# Allegro board SG2042_EVB_V2_0.brd (continued)
## Routing (per net, layer and track width the routed paths; a pad name or vN(x,y) marks a point on that pad's centre or on a via; arc(x,y) is an arc through that point) (continued)
PHY_MDI1-: length 19.2
  TOP w0.081: T1.6 15.04,266.03 arc(15.07,266.18) 15.16,266.31 15.44,266.59 arc(15.52,266.73) 15.55,266.88 15.55,269.97 arc(15.53,270.08) 15.47,270.18 v1(15.37,270.28) ; v1(24.99,267.94) 25.09,268.04 arc(25.19,268.11) 25.31,268.13 25.72,268.13 arc(25.82,268.11) 25.9,268.06 25.94,268.02 arc(26.13,267.89) 26.36,267.85 26.48,267.85 arc(26.53,267.84) 26.57,267.81 26.58,267.8 arc(26.62,267.77) 26.67,267.76 U7.5
  BOTTOM w0.081: v1(24.99,267.94) 24.89,268.04 arc(24.8,268.11) 24.68,268.13 24.44,268.13 arc(24.13,268.19) 23.87,268.37 23.8,268.44 arc(23.61,268.57) 23.4,268.61 15.93,268.61 arc(15.66,268.72) 15.55,268.98 15.55,269.97 arc(15.53,270.08) 15.47,270.18 v1(15.37,270.28)
PHY_MDI2+: length 24
  TOP w0.081: v1(12.17,270.28) 12.07,270.18 arc(12,270.08) 11.98,269.97 11.98,266.88 arc(12.01,266.73) 12.1,266.59 12.38,266.31 arc(12.47,266.18) 12.5,266.03 T1.8 ; v1(24.99,267.18) 25.09,267.08 arc(25.19,267.02) 25.31,266.99 25.72,266.99 arc(25.82,267.01) 25.9,267.07 25.97,267.14 arc(26.13,267.24) 26.31,267.28 26.48,267.28 arc(26.53,267.29) 26.57,267.32 26.58,267.33 arc(26.62,267.35) 26.67,267.36 U7.6
  BOTTOM w0.081: v1(12.17,270.28) 12.07,270.18 arc(12,270.08) 11.98,269.97 11.98,268.09 arc(12.02,267.99) 12.12,267.95 12.65,267.95 arc(12.77,268) 12.81,268.11 arc(12.86,268.22) 12.98,268.27 13.06,268.27 arc(13.18,268.22) 13.22,268.11 arc(13.27,268) 13.39,267.95 22.58,267.95 arc(23.2,267.83) 23.73,267.48 24,267.2 arc(24.23,267.05) 24.5,266.99 24.68,266.99 arc(24.8,267.02) 24.89,267.08 v1(24.99,267.18)
PHY_MDI2-: length 24
  TOP w0.081: T1.9 11.23,266.03 arc(11.26,266.18) 11.35,266.31 11.63,266.59 arc(11.71,266.73) 11.74,266.88 11.74,269.97 arc(11.72,270.08) 11.66,270.18 v1(11.56,270.28) ; U7.7 26.67,266.96 arc(26.62,266.97) 26.58,267 26.57,267.01 arc(26.53,267.04) 26.48,267.05 26.31,267.05 arc(26.22,267.03) 26.13,266.97 26.07,266.9 arc(25.91,266.8) 25.72,266.76 25.31,266.76 arc(25.19,266.74) 25.09,266.67 v1(24.99,266.57)
  BOTTOM w0.081: v1(24.99,266.57) 24.89,266.67 arc(24.8,266.74) 24.68,266.76 24.5,266.76 arc(24.14,266.83) 23.84,267.03 23.56,267.31 arc(23.11,267.61) 22.58,267.72 12.12,267.72 arc(11.85,267.82) 11.74,268.09 11.74,269.97 arc(11.72,270.08) 11.66,270.18 v1(11.56,270.28)
PHY_MDI3+: length 29.7
  TOP w0.081: T1.11 8.69,266.03 arc(8.66,266.18) 8.57,266.31 8.29,266.59 arc(8.2,266.73) 8.17,266.88 8.17,269.97 arc(8.19,270.08) 8.26,270.18 v1(8.36,270.28) ; v1(24.99,265.81) 25.09,265.71 arc(25.19,265.65) 25.31,265.62 25.48,265.62 arc(25.66,265.66) 25.82,265.77 25.97,265.91 arc(26.15,266.04) 26.37,266.08 26.48,266.08 arc(26.53,266.09) 26.57,266.12 26.58,266.13 arc(26.62,266.15) 26.67,266.16 U7.9
  BOTTOM w0.081: v1(24.99,265.81) 24.89,265.71 arc(24.8,265.65) 24.68,265.62 24.44,265.62 arc(24.13,265.56) 23.88,265.39 23.8,265.32 arc(23.62,265.19) 23.4,265.15 10.4,265.15 arc(8.82,265.8) 8.17,267.38 8.17,268.71 arc(8.22,268.83) 8.33,268.88 8.33,268.88 arc(8.44,268.92) 8.49,269.04 8.49,269.13 arc(8.44,269.24) 8.33,269.29 8.33,269.29 arc(8.22,269.33) 8.17,269.45 8.17,269.97 arc(8.19,270.08) 8.26,270.18 v1(8.36,270.28)
PHY_MDI3-: length 29.7
  TOP w0.081: v1(24.99,265.2) 25.09,265.3 arc(25.19,265.37) 25.31,265.39 25.48,265.39 arc(25.75,265.44) 25.99,265.6 26.13,265.75 arc(26.24,265.82) 26.37,265.85 26.48,265.85 arc(26.53,265.84) 26.57,265.81 26.58,265.8 arc(26.62,265.77) 26.67,265.76 U7.10 ; T1.12 7.42,266.03 arc(7.45,266.18) 7.54,266.31 7.82,266.59 arc(7.9,266.73) 7.93,266.88 7.93,269.97 arc(7.91,270.08) 7.85,270.18 v1(7.75,270.28)
  BOTTOM w0.081: v1(7.75,270.28) 7.85,270.18 arc(7.91,270.08) 7.93,269.97 7.93,267.38 arc(8.66,265.64) 10.4,264.92 23.4,264.92 arc(23.71,264.98) 23.97,265.15 24.04,265.23 arc(24.22,265.35) 24.44,265.39 24.68,265.39 arc(24.8,265.37) 24.89,265.3 v1(24.99,265.2)
PLL_CLK_IN_DDR_L: length 56
  TOP w0.102: U1.AF48 v1(136.75,224.05) ; R124.2 v1(115.37,259.11)
  ART14 w0.102: v1(115.37,259.11) 116.95,257.52 116.95,241.14 117.54,240.55 135.95,240.55 136.25,240.25 136.25,224.55 v1(136.75,224.05)
PLL_CLK_IN_DDR_R: length 57.8
  TOP w0.102: U1.AF9 v1(96.75,224.05) ; R144.2 v1(110.74,259.11)
  ART14 w0.102: v1(96.75,224.05) 97.25,224.55 97.25,240.25 97.55,240.55 115.96,240.55 116.55,241.13 116.55,253.3 v1(110.74,259.11)
PLL_CLK_IN_MAIN: length 15
  TOP w0.102: U1.B31 119.75,248.05 119.75,254.01 R186.2
PLL_LOCKO: length 0.9
  TOP w0.102: R580.2 R593.2
PREXT1: length 1.2
  TOP w0.102: U3235.AB2 v1(139.66,91.41)
  BOTTOM w0.102: R12493.2 v1(139.66,91.41)
PREXT2: length 1.2
  TOP w0.102: U3235.E16 v1(153.26,80.21)
  BOTTOM w0.102: R12494.2 v1(153.26,80.21)
PREXT_10048: length 2
  TOP w0.102: U3237.37 227.02,74.6 R12564.1
PS_ON#: length 268.7
  TOP w0.102: v1(163.09,60.48) 162.71,60.1 159.75,60.1 156.83,57.18 119.23,57.18 108.76,46.71 Q2008.3 R2441.1 ; SW201.1 230.69,178.16 229.44,176.91 C1171.1 R304.2 v1(225.53,176.91)
  ART14 w0.102: v1(163.09,60.48) 167.68,65.06 167.68,75.76 169.21,77.29 169.21,87.34 173.84,91.96 173.84,92.06 173.84,92.07 173.84,118.21 205.36,149.73 205.36,170.61 211.66,176.91 v1(225.53,176.91) ; SW201.1 239.27,178.16 240.77,179.65 240.77,209.46 ATXPWR1.16
PWM6: length 275.5
  TOP w0.102: U3268.28 v1(103.99,141.05) ; v1(199.51,300.02) 200.08,299.45 U202.7
  ART03 w0.102: v1(210.74,168.1) 211.53,168.88 211.53,170.19 209.4,172.33 209.4,225.26 217.02,232.88 217.02,273.51 213.51,277.02 213.51,285.27 211,287.79 211,297.09 208.25,299.85 205.75,299.85 205.39,300.2 204.36,300.2 203.6,299.44 200.09,299.44 v1(199.51,300.02)
  ART05 w0.102: v1(210.74,168.1) 210.39,168.45 208.9,168.45 208.36,167.91 208.36,163.16 199.63,154.43 154.84,154.43 138.66,138.25 105.31,138.25 103.96,139.6 103.96,141.02 v1(103.99,141.05)
PWM_FAN0: length 154.5
  TOP w0.102: v1(46.76,136.86) R12926.1 R12927.2 ; R132.1 v1(36.4,279.53)
  ART03 w0.102: v1(36.4,279.53) 37.41,278.51 37.41,273.43 39.6,271.25 39.6,263.53 36.3,260.23 36.3,226.49 38.81,223.98 38.81,212.52 45.36,205.97 45.36,203.61 46.96,202.01 46.96,193.57 46.38,192.98 46.38,188.6 47.7,187.28 47.7,181.68 46.53,180.51 46.53,176.2 47.37,175.36 47.37,150.49 48.26,149.6 48.26,138.35 v1(46.76,136.86)
PWM_FAN1: length 206.7
  TOP w0.102: v1(227.41,289.99) R12728.1 R12730.2 ; R135.1 v1(43.69,286.49)
  ART05 w0.102: v1(43.69,286.49) 43.69,300.81 46.25,303.38 209.85,303.38 212.66,300.57 216.83,300.57 v1(227.41,289.99)
PWM_FAN2: length 467.3
  TOP w0.102: v1(15.72,18.14) 16.15,17.7 18.16,17.7 18.57,17.3 145.59,17.3 149.86,21.56 200.94,21.56 R12732.1 R12733.2 ; R134.1 v1(36.4,278.66)
  ART03 w0.102: v1(15.72,18.14) 15.93,18.34 15.93,146.35 13.21,149.07 13.21,156.42 14.7,157.91 17.57,157.91 20.37,160.71 20.37,187.77 24.36,191.75 24.36,228.05 29.69,233.38 29.69,256.63 37.21,264.15 37.21,277.85 v1(36.4,278.66)
PWM_FAN3: length 445.3
  TOP w0.102: R137.1 v1(36.4,277.8) ; R12736.2 R12735.1 179.76,20.95 150.11,20.95 145.85,16.69 16.28,16.69 v1(15.72,17.25)
  ART03 w0.102: v1(15.72,17.25) 15.32,17.65 15.32,18.31 15.72,18.71 15.72,146.26 13,148.98 13,156.5 14.62,158.12 17.49,158.12 20.17,160.8 20.17,187.85 24.16,191.84 24.16,228.13 29.49,233.46 29.49,256.71 37.01,264.23 37.01,277.19 v1(36.4,277.8)
PWM_H_FAN0: length 5.8
  TOP w0.102: Q2035.3 R12925.1 46.28,146.56 J2038.4
PWM_H_FAN1: length 5.8
  TOP w0.102: Q2029.3 R12727.1 226.92,299.7 J2039.4
PWM_H_FAN2: length 5.8
  TOP w0.102: J2040.4 204.19,8.48 R12731.1 Q2031.3
PWM_H_FAN3: length 5.8
  TOP w0.102: Q2033.3 R12734.1 182.4,8.48 J2041.4
PWR_BUTTON: length 91.3
  TOP w0.102: U1.H41 v1(129.75,242.05) ; v1(189.76,279.53) 190.37,279.53 190.37,278.66 T4.1
  ART03 w0.102: v1(129.75,242.05) 129.37,242.43 129.37,251.15 164.27,286.05 185.46,286.05 189.38,282.14 189.38,279.91 v1(189.76,279.53)
PWR_OK_C: length 251.9
  TOP w0.102: LED1.A v1(228.02,232.35) ; R2443.1 140.36,55.35 158.93,55.35 159.31,55.73 163.19,55.73 v1(163.78,55.14)
  ART14 w0.102: v1(228.02,232.35) 222.89,232.35 220.64,230.1 218.29,230.1 216.53,228.35 214.1,228.35 203.94,218.19 203.94,150.32 172.42,118.8 172.42,92.55 167.79,87.93 167.79,80.18 164.16,76.55 164.16,74.07 161.11,71.02 161.11,57.81 v1(163.78,55.14)
  BOTTOM w0.102: ATXPWR1.8 232.08,228.28 v1(228.02,232.35)
REFIN: length 920.4
  TOP w0.102: U202.27 198.88,292.43 198.97,292.34 198.97,292.06 197.62,290.71 197.62,290.36 197.33,290.07 C3486.2 v1(197.33,288.57) ; U202.37 203.79,293.74 203.89,293.83 204.08,293.83 206.16,291.75 206.16,290.36 205.84,290.04 C3377.2 v1(205.84,288.57) ; U202.35 202.08,292.43 202.18,292.33 202.18,292.1 203.56,290.73 204.27,290.73 204.46,290.54 204.46,290.36 204.14,290.04 C3482.2 v1(204.14,288.57) ; U202.25 198.08,292.42 198.17,292.33 198.17,292.18 196.92,290.93 196.23,290.93 195.92,290.62 195.92,290.36 195.63,290.07 C3406.2 v1(195.63,288.57) ; U202.29 199.68,292.43 199.77,292.34 199.77,291.09 199.33,290.65 199.33,290.36 199.03,290.07 C3485.2 v1(199.03,288.57) ; v1(202.44,288.57) C3483.2 202.44,290.04 202.76,290.36 202.76,290.59 201.38,291.96 201.38,292.34 201.28,292.45 U202.33 ; U202.31 200.48,292.45 200.58,292.34 200.58,291.01 201.05,290.54 201.05,290.36 200.74,290.04 C3484.2 v1(200.74,288.57)
  TOP w0.254: v1(130.94,301.24) C3466.2 131.11,300.47 U3266.30 ; v1(207.82,297.92) 207.8,297.89 C3373.2 R2536.2 ; v1(100.23,301.24) C3422.2 100.4,300.47 U3263.30 ; v1(141.17,301.24) C3467.2 141.34,300.47 U3267.30 ; U3262.30 90.16,300.47 C3375.2 v1(89.99,301.24) ; v1(120.7,301.24) C3448.2 120.87,300.47 U3265.30 ; v1(110.46,301.24) C3435.2 110.63,300.47 U3264.30 ; U3268.30 104.99,140.61 C3413.2 v1(105.16,139.83)
  ART03 w0.102: v1(195.63,288.57) 196.46,289.4 206.91,289.4 208.36,287.95 208.36,286.69 209.58,285.47 209.58,275.74 214.38,270.94 214.38,233.98 206.76,226.36 206.76,167.26 v1(207.77,166.24)
  ART05 w0.102: v1(105.16,139.83) 106.32,138.66 138.49,138.66 154.67,154.84 199.46,154.84 207.77,163.15 v1(207.77,166.24)
  ART12 w0.102: v1(197.33,288.57) 197.15,288.75 197.15,291.29 194.44,294 194.44,299.38 191.15,302.67 143.97,302.67 142.16,300.86 141.55,300.86 v1(141.17,301.24) ; v1(130.94,301.24) 131.32,300.86 131.93,300.86 134.34,303.28 192.65,303.28 195.05,300.88 195.05,294.78 198.86,290.97 198.86,288.75 v1(199.03,288.57) ; v1(120.7,301.24) 121.08,300.86 121.69,300.86 124.71,303.89 192.9,303.89 197.28,299.51 197.28,293.93 200.56,290.65 200.56,288.75 v1(200.74,288.57)
  ART14 w0.102: v1(110.46,301.24) 110.85,300.86 111.46,300.86 113.26,302.67 203.12,302.67 206.1,299.69 206.1,296.39 206.86,295.63 206.86,293.29 202.44,288.87 v1(202.44,288.57) ; v1(205.84,288.57) 205.66,288.75 205.66,290.37 208.61,293.31 208.61,300 204.72,303.89 94.01,303.89 90.98,300.86 90.37,300.86 v1(89.99,301.24) ; v1(100.23,301.24) 100.61,300.86 101.22,300.86 103.63,303.28 204.47,303.28 207.06,300.69 207.06,296.93 207.49,296.5 207.49,293.06 203.96,289.53 203.96,288.75 v1(204.14,288.57)
RGMII0_IRQ: length 343
  TOP w0.102: v1(211.71,233.32) 211.71,234.75 211.18,235.28 U807.8 ; U1.C22 v1(109.75,247.05)
  ART05 w0.102: v1(42.7,291.8) 42.7,300.18 46.15,303.63 210.49,303.63 v1(211.25,302.87)
  ART10 w0.102: v1(42.7,291.8) 43.1,292.2 68.42,292.2 109.39,251.24 109.39,249.44 109.37,249.43 109.37,247.43 v1(109.75,247.05)
  ART14 w0.102: v1(211.25,302.87) 210.82,302.44 210.82,288.46 214.17,285.11 214.17,235.79 v1(211.71,233.32)
RGMII0_MDC: length 31.3
  TOP w0.102: R68.1 v1(28.83,262.28) ; R1267.1 v1(32,288.77)
  ART14 w0.102: v1(32,288.77) 31.6,288.37 31.6,277.32 32.5,276.41 32.5,270.48 31.85,269.83 31.85,265.71 31.27,265.13 29.08,265.13 28.57,264.62 28.57,262.53 v1(28.83,262.28)
RGMII0_MDIO: length 26.7
  TOP w0.102: R1268.1 v1(32,286.18) ; U7.14 v1(28.99,264.41)
  ART14 w0.102: v1(28.99,264.41) 29.45,264.87 31.38,264.87 32.11,265.6 32.11,269.73 32.76,270.37 32.76,276.52 32,277.27 v1(32,286.18)
  BOTTOM w0.102: R69.1 28.98,264.42 v1(28.99,264.41)
RGMII0_REFCLKO: length 1
  TOP w0.102: R2299.1 T97.1
RGMII0_RST_H: length 321.2
  TOP w0.102: v1(19.51,161.77) 33.63,161.77 48.49,146.91 48.49,141.1 52.76,136.83 55.42,136.83 56.92,135.33 156.41,135.33 159.58,132.16 186.14,132.16 194.49,123.81 205.87,123.81 206.9,122.78 R2208.2 ; T43.1 v1(27.36,263.7) C548.1 28.19,263.93 U7.12
  ART03 w0.102: v1(27.36,263.7) 28.4,262.66 28.4,257.4 29.03,256.77 29.03,233.65 23.7,228.32 23.7,192.03 19.71,188.04 19.71,161.98 v1(19.51,161.77)
RGMII0_RXC: length 130.8
  TOP w0.102: U1.A20 v1(107.75,249.05) ; R61.2 v1(35.56,268.63) R74.2
  ART03 w0.102: v1(38.66,287.15) 38.05,286.53 37.9,286.53 37.09,287.34 36.95,287.34 36.81,287.2 36.81,287.05 37.61,286.25 37.61,286.1 37.47,285.96 37.33,285.96 36.52,286.77 36.37,286.77 36.23,286.62 36.23,286.48 37.04,285.67 37.04,285.53 36.9,285.38 36.75,285.38 35.94,286.19 35.8,286.19 35.65,286.05 35.65,285.9 36.46,285.1 36.46,284.95 36.32,284.81 36.18,284.81 35.37,285.62 35.22,285.62 35.08,285.47 35.08,285.33 35.89,284.52 35.89,284.38 35.74,284.23 35.6,284.23 34.79,285.04 34.65,285.04 34.5,284.9 34.5,284.75 35.31,283.95 35.31,283.8 35.17,283.66 35.03,283.66 34.22,284.47 34.07,284.47 33.93,284.32 33.93,284.18 34.74,283.37 34.74,283.23 34.59,283.08 34.45,283.08 33.64,283.89 33.5,283.89 33.35,283.75 33.35,283.6 34.16,282.8 34.16,282.65 34.02,282.51 33.88,282.51 33.07,283.32 32.92,283.32 32.78,283.17 32.78,283.03 33.59,282.22 33.59,282.08 33.22,281.71 33.22,272.67 35.56,270.33 v1(35.56,268.63)
  ART10 w0.102: v1(38.66,287.15) 40.91,287.15 41.83,288.06 44.74,288.06 45.25,287.55 71.33,287.55 107.75,251.13 v1(107.75,249.05)
  BOTTOM w0.102: R61.2 v1(35.56,268.63)
RGMII0_RXCTRL: length 131.2
  TOP w0.102: R76.2 v1(35.56,267.77) R62.2 ; U1.B20 v1(107.75,248.05)
  ART03 w0.102: v1(35.56,267.77) 35.97,268.17 35.97,271.77 35.2,272.53 35.06,272.53 34.48,271.96 34.34,271.96 34.2,272.1 34.2,272.25 34.77,272.82 34.77,272.97 34.63,273.11 34.48,273.11 33.91,272.53 33.77,272.53 33.62,272.68 33.62,272.82 34.2,273.4 34.2,273.54 33.5,274.24 33.5,274.46 33.6,274.56 34.79,274.56 34.89,274.67 34.89,274.87 34.79,274.97 33.6,274.97 33.5,275.07 33.5,275.28 33.6,275.38 34.79,275.38 34.89,275.48 34.89,275.68 34.79,275.78 33.6,275.78 33.5,275.89 33.5,276.09 33.6,276.19 34.79,276.19 34.89,276.29 34.89,276.49 34.79,276.6 33.6,276.6 33.5,276.7 33.5,276.9 33.6,277 34.79,277 34.89,277.1 34.89,277.31 34.79,277.41 33.6,277.41 33.5,277.51 33.5,277.71 33.6,277.82 34.79,277.82 34.89,277.92 34.89,278.12 34.79,278.22 33.6,278.22 33.5,278.32 33.5,278.53 33.6,278.63 34.79,278.63 34.89,278.73 34.89,278.93 34.79,279.03 33.6,279.03 33.5,279.14 33.5,281.43 v1(38.66,286.59)
  ART10 w0.102: v1(107.75,248.05) 107.37,248.43 107.37,251.15 71.22,287.3 45.14,287.3 44.63,287.81 41.93,287.81 40.71,286.59 v1(38.66,286.59)
  BOTTOM w0.102: R62.2 v1(35.56,267.77)
RGMII0_RXD0: length 130.8
  TOP w0.102: R78.2 v1(35.56,266.9) R63.2 ; U1.A23 v1(110.75,249.05)
  ART03 w0.102: v1(39.57,290.7) 39.57,289.72 39.47,289.62 38.99,289.62 38.89,289.52 38.89,289.32 38.99,289.22 39.47,289.22 39.57,289.12 39.57,288.91 39.47,288.81 38.99,288.81 38.89,288.71 38.89,288.51 38.99,288.4 39.47,288.4 39.57,288.3 39.57,288.1 39.47,288 38.99,288 38.89,287.9 38.89,287.69 38.99,287.59 39.47,287.59 39.57,287.49 39.57,286.92 35.23,282.58 35.23,281.7 35.13,281.6 34.24,281.6 34.13,281.5 34.13,281.3 34.24,281.2 35.13,281.2 35.23,281.09 35.23,280.89 35.13,280.79 34.24,280.79 34.13,280.69 34.13,280.49 34.24,280.38 35.13,280.38 35.23,280.28 35.23,280.08 35.13,279.98 34.24,279.98 34.13,279.88 34.13,279.67 34.24,279.57 35.13,279.57 35.23,279.47 35.23,274.21 35.13,274.11 34.76,274.11 34.66,274.01 34.66,273.81 34.76,273.71 35.13,273.71 35.23,273.6 35.23,272.87 36.22,271.88 36.22,267.56 v1(35.56,266.9)
  ART10 w0.102: v1(39.57,290.7) 42.09,293.22 68.84,293.22 110.75,251.31 v1(110.75,249.05)
  BOTTOM w0.102: R63.2 v1(35.56,266.9)
RGMII0_RXD1: length 126.3
  TOP w0.102: R80.2 v1(35.56,266.04) R65.2 ; U1.A22 v1(109.75,249.05)
  ART03 w0.102: v1(40.94,290.04) 40.69,289.79 39.93,289.79 39.83,289.69 39.83,289.48 39.93,289.38 40.72,289.38 40.82,289.28 40.82,289.08 40.72,288.98 39.93,288.98 39.83,288.87 39.83,288.67 39.93,288.57 40.72,288.57 40.82,288.47 40.82,288.26 40.72,288.16 39.93,288.16 39.83,288.06 39.83,287.86 39.93,287.76 40.46,287.76 40.57,287.65 40.57,287.45 40.46,287.35 39.93,287.35 39.83,287.25 39.83,286.82 35.48,282.47 35.48,274.22 35.59,274.12 36.37,274.12 36.47,274.02 36.47,273.82 36.37,273.71 35.63,273.71 35.53,273.61 35.53,273.41 35.63,273.31 36.37,273.31 36.47,273.21 36.47,266.95 v1(35.56,266.04)
  ART10 w0.102: v1(40.94,290.04) 40.94,290.6 42.8,292.46 68.52,292.46 109.75,251.23 v1(109.75,249.05)
  BOTTOM w0.102: R65.2 v1(35.56,266.04)
RGMII0_RXD2: length 130.6
  TOP w0.102: R82.2 v1(35.56,265.18) R66.2 ; U1.C23 v1(110.75,247.05)
  ART10 w0.102: v1(35.56,265.18) 36.22,265.84 36.22,272.26 33.15,275.33 33.15,289.36 33.83,290.04 34.26,290.04 34.42,289.89 37.82,289.89 41.65,293.73 69.05,293.73 111.39,251.39 111.39,249.44 111.37,249.43 111.37,247.67 v1(110.75,247.05)
  BOTTOM w0.102: R66.2 v1(35.56,265.18)
RGMII0_RXD3: length 133.6
  TOP w0.102: R72.2 v1(35.56,264.31) R67.2 ; U1.D23 v1(110.75,246.05)
  ART10 w0.102: v1(110.75,246.05) 110.37,246.43 110.37,249.43 110.39,249.44 110.39,251.31 68.73,292.96 42.59,292.96 38.83,289.2 33.86,289.2 33.4,288.75 33.4,275.44 36.47,272.36 36.47,267.94 36.58,267.84 37.08,267.84 37.19,267.74 37.19,267.54 37.08,267.43 36.58,267.43 36.47,267.33 36.47,267.13 36.58,267.03 37.08,267.03 37.19,266.93 37.19,266.72 37.08,266.62 36.58,266.62 36.47,266.52 36.47,266.32 36.58,266.21 37.08,266.21 37.19,266.11 37.19,265.91 37.08,265.81 36.58,265.81 36.47,265.71 36.47,265.23 v1(35.56,264.31)
  BOTTOM w0.102: R67.2 v1(35.56,264.31)
RGMII0_TXC: length 45.2
  TOP w0.102: R1214.1 v1(32,287.91) ; v1(31.42,264.41) 31.39,264.44 U7.20
  ART14 w0.102: v1(32,287.91) 32.38,287.53 32.38,277.32 32.55,277.15 33.81,277.15 33.91,277.05 33.91,276.85 33.81,276.75 33.11,276.75 33.01,276.65 33.01,276.44 33.11,276.34 33.81,276.34 33.91,276.24 33.91,276.04 33.81,275.93 33.11,275.93 33.01,275.83 33.01,275.63 33.11,275.53 33.81,275.53 33.91,275.43 33.91,275.22 33.81,275.12 33.11,275.12 33.01,275.02 33.01,274.82 33.11,274.71 33.81,274.71 33.91,274.61 33.91,274.41 33.81,274.31 33.11,274.31 33.01,274.21 33.01,274 33.11,273.9 33.81,273.9 33.91,273.8 33.91,273.6 33.81,273.5 33.11,273.5 33.01,273.39 33.01,273.19 33.11,273.09 33.81,273.09 33.91,272.99 33.91,272.78 33.81,272.68 33.11,272.68 33.01,272.58 33.01,272.38 33.11,272.28 33.81,272.28 33.91,272.17 33.91,271.97 33.81,271.87 33.11,271.87 33.01,271.77 33.01,271.57 33.11,271.46 33.81,271.46 33.91,271.36 33.91,271.16 33.81,271.06 33.11,271.06 33.01,270.96 33.01,270.75 33.11,270.65 33.81,270.65 33.91,270.55 33.91,270.35 33.81,270.24 33.11,270.24 33.01,270.14 33.01,269.94 33.11,269.84 33.81,269.84 33.91,269.74 33.91,267.59 33.81,267.49 33.15,267.49 33.05,267.39 33.05,267.19 33.15,267.08 33.81,267.08 33.91,266.98 33.91,264.27 33.35,263.7 31.92,263.7 31.42,264.2 v1(31.42,264.41)
RGMII0_TXCTRL: length 34.8
  TOP w0.102: R1215.1 v1(32,289.64) ; v1(31.42,263.6) 30.99,264.03 U7.19
  ART14 w0.102: v1(31.42,263.6) 31.57,263.45 33.46,263.45 34.17,264.16 34.17,277.61 34.06,277.71 32.74,277.71 32.64,277.81 32.64,278.02 32.74,278.12 33.78,278.12 33.88,278.22 33.88,278.42 33.78,278.52 32.74,278.52 32.64,278.63 32.64,289 v1(32,289.64)
RGMII0_TXD0: length 34.4
  TOP w0.102: R1216.1 v1(32,291.16) ; U7.18 30.59,264.43 v1(30.61,264.41)
  ART14 w0.102: v1(32,291.16) 32.89,290.27 32.89,279.78 34.42,278.25 34.42,264.05 33.56,263.19 31.24,263.19 31.01,263.42 31.01,264.01 v1(30.61,264.41)
RGMII0_TXD1: length 41.2
  TOP w0.102: v1(30.61,263.6) 30.19,264.02 U7.17 ; R1217.1 v1(34.65,291.16)
  ART14 w0.102: v1(34.65,291.16) 33.15,289.66 33.15,281.62 33.25,281.52 33.76,281.52 33.86,281.42 33.86,281.21 33.76,281.11 33.25,281.11 33.15,281.01 33.15,280.81 33.25,280.7 33.76,280.7 33.86,280.6 33.86,280.4 33.76,280.3 33.25,280.3 33.15,280.2 33.15,279.89 33.6,279.43 33.75,279.43 34.11,279.79 34.25,279.79 34.4,279.65 34.4,279.51 34.03,279.14 34.03,279 34.67,278.36 34.67,273.35 36.2,271.83 36.2,264.16 34.98,262.94 31.14,262.94 30.61,263.47 v1(30.61,263.6)
RGMII0_TXD2: length 37.9
  TOP w0.102: v1(29.79,264.41) 29.79,264.42 U7.16 ; R1218.1 v1(34.65,290.3)
  ART14 w0.102: v1(34.65,290.3) 34.14,290.3 33.4,289.56 33.4,282.24 34.93,280.72 34.93,273.46 36.45,271.94 36.45,264.04 35.1,262.69 30.94,262.69 30.2,263.42 30.2,264.01 v1(29.79,264.41)
RGMII0_TXD3: length 42.4
  TOP w0.102: U7.15 29.39,264 v1(29.79,263.6) ; R1219.1 v1(34.65,288.77)
  ART14 w0.102: v1(34.65,288.77) 34.65,284.31 34.75,284.2 35.15,284.2 35.26,284.1 35.26,283.9 35.15,283.8 34.11,283.8 34.01,283.7 34.01,283.49 34.11,283.39 35.15,283.39 35.26,283.29 35.26,283.09 35.15,282.99 34.11,282.99 34.01,282.88 34.01,282.68 34.11,282.58 35.15,282.58 35.26,282.48 35.26,282.27 35.15,282.17 34.44,282.17 34.34,282.07 34.34,281.87 34.44,281.77 35.15,281.77 35.26,281.66 35.26,273.49 36.7,272.04 36.7,263.93 35.2,262.43 30.83,262.43 29.79,263.47 v1(29.79,263.6)
RST#: length 2
  TOP w0.102: U3273.A1 198.69,92.04 R12953.1
RTC_I2C_SCL: length 204.6
  TOP w0.102: R2277.2 v1(42.98,245.19) ; U2001.6 v1(21.23,69.39)
  ART05 w0.102: v1(42.98,245.19) 42.19,245.97 38.62,245.97 29.64,236.99 29.64,233.25 24.31,227.92 24.31,190.83 20.68,187.2 20.68,170.7 13.69,163.72 13.69,156.22 4.45,146.97 4.45,118.96 21.82,101.58 21.82,69.98 v1(21.23,69.39)
RTC_I2C_SDA: length 203.3
  TOP w0.102: R2278.2 v1(42.11,245.19) ; U2001.5 v1(22.5,69.39)
  ART05 w0.102: v1(42.11,245.19) 41.53,245.77 38.71,245.77 29.84,236.91 29.84,233.16 24.51,227.83 24.51,190.74 20.88,187.11 20.88,170.62 13.89,163.63 13.89,156.13 4.65,146.89 4.65,119.04 22.02,101.67 22.02,69.88 v1(22.5,69.39)
SALRT_68127: length 7
  TOP w0.102: U202.20 195.65,295.34 195.45,295.53 193.52,295.53 192.74,294.74 190.88,294.74 R2544.1
SCKT_ID0: length 95.5
  TOP w0.102: v1(193.01,277.8) R29.2 R23.1 ; U1.C34 v1(122.75,247.05)
  ART03 w0.102: v1(193.01,277.8) 192.43,278.38 192.43,281.26 190.56,283.13 188.96,283.13 185.63,286.46 164.11,286.46 130.15,252.5 125.71,252.5 123.13,249.92 123.13,247.43 v1(122.75,247.05)
SCKT_ID1: length 96.6
  TOP w0.102: R24.1 R30.2 v1(193.01,281.25) ; U1.F33 v1(121.75,244.05)
  ART03 w0.102: v1(193.01,281.25) 190.73,283.54 189.13,283.54 185.8,286.87 163.94,286.87 129.98,252.91 125.35,252.91 122.37,249.92 122.37,244.67 v1(121.75,244.05)
SD_PWR_3V3: length 1.4
  TOP w0.254: U5.A1 20.9,277.83 FB2.2
SDIO_CD_X: length 119.9
  TOP w0.102: R2127.2 v1(18.16,286.03) R54.2 ; U1.B25 v1(112.75,248.05)
  ART03 w0.102: v1(18.16,286.03) 19.35,287.22 21.43,287.22 26.51,292.3 37.33,292.3 38.43,293.4 69.99,293.4 112.37,251.02 112.37,248.43 v1(112.75,248.05)
SDIO_CLK: length 131.8
  TOP w0.102: U1.A27 v1(114.75,249.05) ; v1(17.55,282.07) R46.2
  ART03 w0.102: v1(17.55,282.07) 16.43,283.18 16.43,286.17 15.67,286.94 15.67,287.35 15.98,287.66 15.98,287.8 15.43,288.35 15.43,288.49 15.58,288.64 15.72,288.64 16.27,288.09 16.41,288.09 22.45,294.13 36.58,294.13 37.67,295.22 70.75,295.22 114.75,251.22 v1(114.75,249.05)
SDIO_CMD: length 134.7
  TOP w0.102: R47.2 v1(18.16,279.5) R48.2 ; U1.B27 v1(114.75,248.05)
  ART03 w0.102: v1(18.16,279.5) 17.96,279.7 17.96,280.08 17.86,280.18 17.48,280.18 17.38,280.28 17.38,280.48 17.48,280.59 17.86,280.59 17.96,280.69 17.96,280.89 17.86,280.99 17.48,280.99 17.38,281.09 17.38,281.3 17.48,281.4 17.86,281.4 17.96,281.5 17.96,282.39 16.74,283.61 16.74,287.99 22.58,293.83 36.7,293.83 37.79,294.92 70.62,294.92 114.37,251.17 114.37,248.43 v1(114.75,248.05)
SDIO_DAT0: length 136.1
  TOP w0.102: U1.D26 v1(113.75,246.05) ; R49.2 v1(18.16,283.79)
  ART03 w0.102: v1(18.16,283.79) 18.57,284.2 18.57,285.06 17.75,285.88 17.75,287.56 17.99,287.8 19.77,287.8 20.62,288.64 20.76,288.64 21.38,288.03 21.52,288.03 21.66,288.17 21.66,288.32 21.05,288.93 21.05,289.08 21.19,289.22 21.34,289.22 21.95,288.6 22.1,288.6 22.24,288.75 22.24,288.89 21.62,289.51 21.62,289.65 21.77,289.79 21.91,289.79 22.53,289.18 22.67,289.18 22.81,289.32 22.81,289.47 22.2,290.08 22.2,290.23 22.34,290.37 22.49,290.37 23.1,289.75 23.25,289.75 23.39,289.9 23.39,290.04 22.77,290.66 22.77,290.8 22.92,290.94 23.06,290.94 23.68,290.33 23.82,290.33 23.96,290.47 23.96,290.62 23.35,291.23 23.35,291.38 24.78,292.81 37.12,292.81 38.22,293.9 70.2,293.9 113.06,251.05 113.06,249.52 113.13,249.44 113.13,246.67 v1(113.75,246.05)
SDIO_DAT1: length 134.7
  TOP w0.102: R50.2 v1(18.16,284.91) ; U1.C26 v1(113.75,247.05)
  ART03 w0.102: v1(113.75,247.05) 113.37,247.43 113.37,251.1 70.31,294.16 38.11,294.16 37.02,293.07 24.68,293.07 22.33,290.72 22.19,290.72 21.44,291.46 21.29,291.46 21.15,291.32 21.15,291.18 21.9,290.43 21.9,290.28 21.75,290.14 21.61,290.14 20.86,290.89 20.72,290.89 20.58,290.74 20.58,290.6 21.32,289.85 21.32,289.71 21.18,289.57 21.04,289.57 20.29,290.31 20.14,290.31 20,290.17 20,290.03 20.75,289.28 20.75,289.13 20.6,288.99 20.46,288.99 19.71,289.74 19.57,289.74 19.43,289.59 19.43,289.45 20.17,288.7 20.17,288.56 20.03,288.42 19.89,288.42 19.14,289.16 18.99,289.16 17.5,287.67 17.5,285.57 v1(18.16,284.91)
SDIO_DAT2: length 134.3
  TOP w0.102: R53.2 v1(18.16,277.27) ; U1.B26 v1(113.75,248.05)
  ART03 w0.102: v1(18.16,277.27) 17.75,277.67 17.75,278.54 18.59,279.37 18.59,281.51 18.21,281.89 18.21,282.49 16.99,283.71 16.99,287.88 22.69,293.57 36.81,293.57 37.9,294.67 70.52,294.67 114.06,251.12 114.06,249.52 114.13,249.44 114.13,248.43 v1(113.75,248.05)
SDIO_DAT3: length 133.6
  TOP w0.102: U1.A26 v1(113.75,249.05) ; R51.2 v1(18.16,278.38)